# Altium PCB PWM_CONTROLLER_nverter_540VDC_V3.PcbDoc (continued)
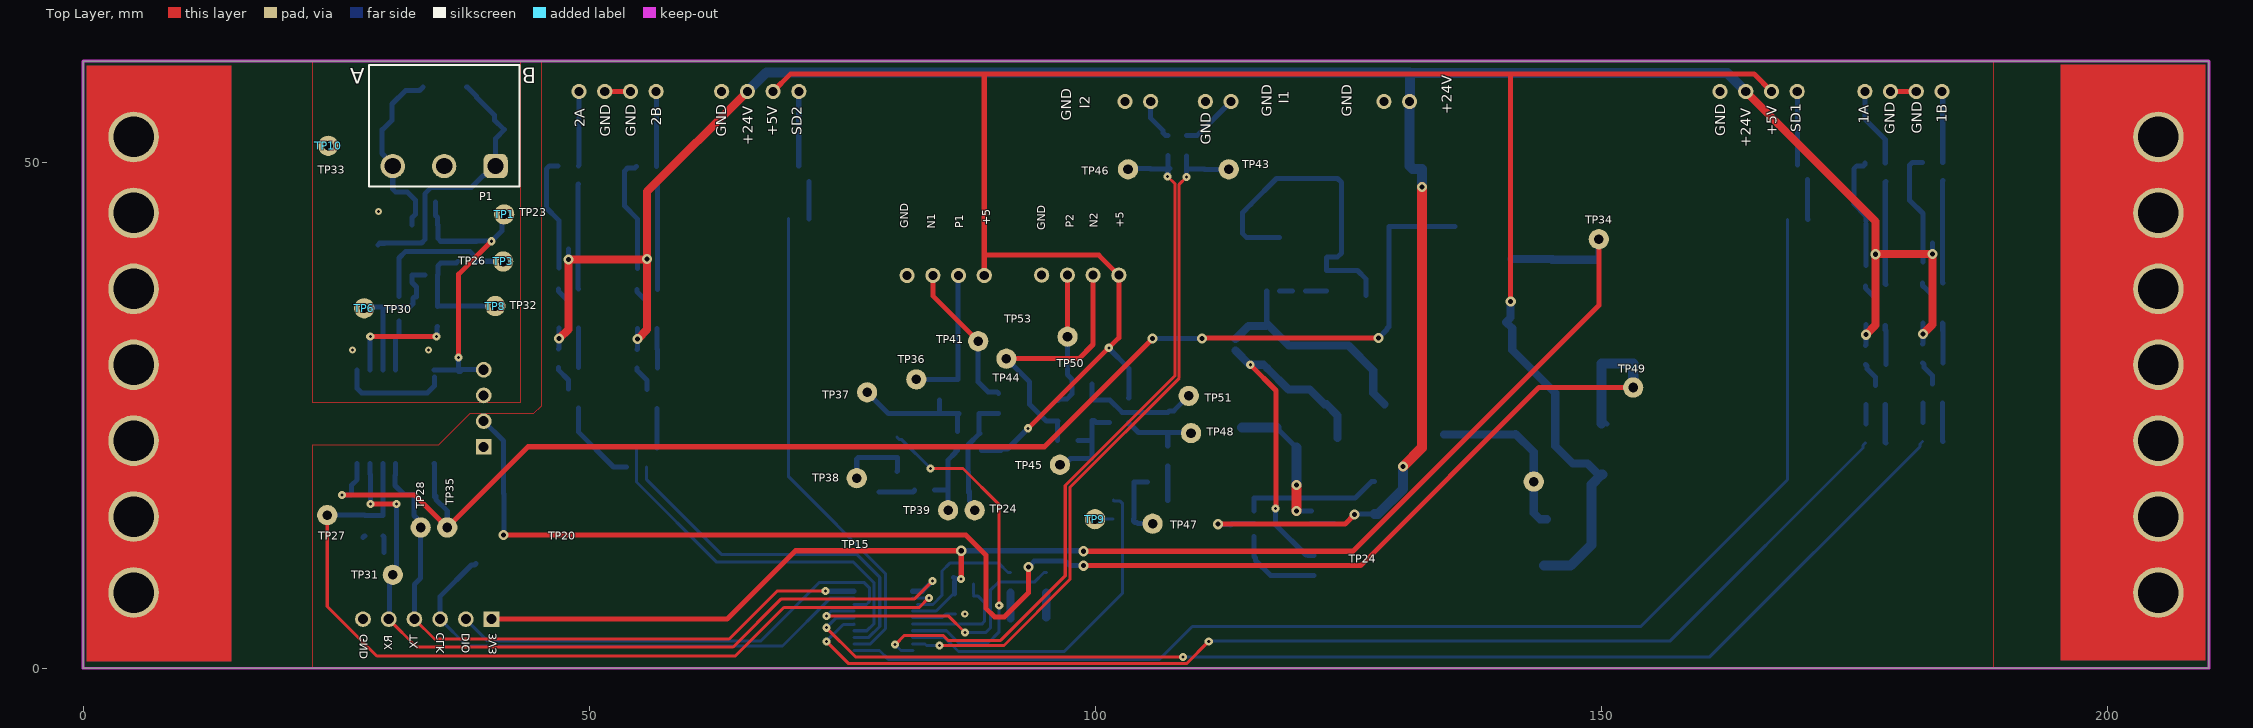
[diagram p0: Top Layer view]
## Part data
C2 C3 C4 C9 C11 C12 C14 C15 C16 C17 C18 C19 C20 C21 C22 C23 C24 C25 C26 C27 C29 C30 C31 C32 C33 C34 C35: library part CAP-NON-POLAR
C13: library part CAP-POLAR
D1: "WURTH ELEKTRONIK - 151031YS06000 - LED, Yellow, Through Hole, T-1 (3mm), 30 mA, 2 V, 590 nm", Manufacturer_Name="Wurth Elektronik", Manufacturer_Part_Number=151031YS06000, Mouser Part Number=710-151031YS06000, Datasheet Link=https://katalog.we-online.de/led/datasheet/151031YS06000.pdf, Geometry.Height=5.5mm, Mouser Price/Stock=https://www.mouser.co.uk/ProductDetail/Wurth-Elektronik/151031YS06000?qs=LlUlMxKIyB3xSYYW%252BcuBiQ%3D%3D
D2 D3: library part LED, "WURTH ELEKTRONIK - 151031YS06000 - LED, Yellow, Through Hole, T-1 (3mm), 30 mA, 2 V, 590 nm", Manufacturer_Name="Wurth Elektronik", Mouser Part Number=710-151031YS06000, Datasheet Link=https://katalog.we-online.de/led/datasheet/151031YS06000.pdf, Geometry.Height=5.5mm, Manufacturer_Part_Number=151031YS06000, Mouser Price/Stock=https://www.mouser.co.uk/ProductDetail/Wurth-Elektronik/151031YS06000?qs=LlUlMxKIyB3xSYYW%252BcuBiQ%3D%3D
JE1: library part JE
L1 L2 L3 L4: library part 74477530, "WE-PD2 SMT Power Inductor, size 7850, 1000µH, 0.3A, 3.3Ω", Case/Size Code=7850, DC Resistance=2.78Ω, DC Resistance Max=3.3Ω, Inductance=1000µH, Manufacturer="Wurth Elektronik", Operating Temperature Max=125°C, Operating Temperature Min=-40°C, Rated Current=0.3A, Self Resonant Frequency=2.4MHz, Category="Unshielded Power Inductors", ComponentLink1Description="Website Link", ComponentLink1URL=https://www.we-online.com/redexpert/article/74477530?ad, ComponentLink2Description="Datasheet Link", ComponentLink2URL=https://www.we-online.com/redexpert/spec/74477530?ad, Height=4.95mm, Length=7.8mm, Manufacturer Part Number=74477530, Match Code=WE-PD2, Mount="Surface Mount", Packaging="Tape and Reel", Saturation Current=0.3A, Width=7mm
  L4: Simulation ModelName=7850_74477530_1m, Simulation ModelText="******* / .subckt 7850_74477530_1m 1 2 / Rp 1 2 187304.915771 / Cp 1 2 4.36976277949p / Rs 1 N3 3.3 / L1 N3 2 1000u / .ends 7850_74477530_1m", Simulation PortMap=(1:1),(2:2)
P1: "WR-TBL Series 7015B Open Horizontal PCB Header, SMT, pitch 5.08mm, 3p", Manufacturer="Wurth Elektronik", Operating Temperature Max=105°C, Operating Temperature Min=-40°C, Rated Current=10A, Working Voltage=300V, Application=Pluggable, Category="Terminal Blocks", ComponentLink1Description="Website Link", ComponentLink1URL=https://www.we-online.com/redexpert/article/691701530003B?ad, ComponentLink2Description="Datasheet Link", ComponentLink2URL=https://www.we-online.com/redexpert/spec/691701530003B?ad, Manufacturer Part Number=691701530003B, Match Code=WR-TBL, Modularity=No, Mount="Surface Mount", Number of Pins=3, Number of Rows=1, Orientation=Horizontal, Packaging=Box, Pitch=5.08mm
Q1 Q4 Q5 Q8 Q9 Q12 Q13 Q16: library part CMP-56214-000002-1, "TRANS PNP 25V 1.5A SOT23", Case/Package=SOT-23, Collector Base Voltage (VCBO)=40V, Collector Emitter Breakdown Voltage=25V, Collector Emitter Saturation Voltage=500mV, Emitter Base Voltage (VEBO)=1.6V, Max Collector Current=1.5A, Max Operating Temperature=150°C, Max Power Dissipation=625mW, Min Operating Temperature=-55°C, Package Quantity=1, Transition Frequency=100MHz, Collector Emitter Voltage (VCEO)=500mV, Element Configuration=Single, Gain Bandwidth Product=100MHz, hFE Min=40, Lead Free="Lead Free", Max Breakdown Voltage=25V, Mount="Surface Mount", Packaging="Tape and Reel", Polarity=PNP
Q2 Q3 Q6 Q7 Q10 Q11 Q14 Q15 Q17 Q18: library part CMP-20235-000001-1, "NPN TRANSISTOR 1.5A 40V SOT-23 R", Case/Package=TO-236-3, Collector Emitter Breakdown Voltage=25V, Collector Emitter Voltage (VCEO)=400mV, Max Collector Current=1.5A, Max Power Dissipation=300mW, Transition Frequency=100MHz, Max Breakdown Voltage=25V, Mount="Surface Mount", Packaging="Tape and Reel", RoHS Compliant=Yes
R1 R2 R3 R4 R5 R6 R7 R8 R9 R10 R11 R12 R13 R14 R15 R16 R17 R18 R19 R20 R21 R22 R23 R24 R25 R26 R27 R28 R29 R30 R31 R32 R33 R34 R35 R36 R37 R38 R39 R41 R42 R43 R44 R45 R46 R47 R48 R49 R50 R51 R52 R53 R54 R55 R56 R57 R58 R59 R60 R61 R62 R63 R64 R65 R66 R67 R68 R69 R70 R71: library part RES-CONST
R40: library part RES-CONST, "10K"
TP1 TP2 TP3 TP4 TP5 TP6 TP7 TP8 TP9 TP10 TP11 TP12 TP13 TP14 TP15 TP16 TP17 TP18 TP19 TP20 TP21 TP22 TP23 TP24 TP25 TP26 TP27: library part TP_PCB?, "Test_Point"
U1: library part LP2951-3.3
U5: library part CMP-0534-00565-1, "Quad Channel Digital Isolator, 2.5 KV rms Insulation Rating, 10 Mbps Data Rate, 50 ns Delay, Industrial, 16-pin SOIC (RW-16), Tube", Manufacturer="Analog Devices", Max Operating Temp (degreesC)=125, Code_JEDEC=MS-013-AA, ComponentLink1Description="Manufacturer URL", ComponentLink1URL=http://www.analog.com/en/index.html, ComponentLink2Description=Datasheet, ComponentLink2URL=http://www.analog.com/static/imported-files/data_sheets/ADuM1400_1401_1402.pdf, ComponentLink3Description="Package Specification", ComponentLink3URL=http://www.analog.com/static/imported-files/packages/PKG_PDF/SOIC_WIDE%20%28RW%29/RW_16.pdf, ComponentLink4Description="URL Link1", ComponentLink4URL="Product URL:http://www.analog.com/en/interface-isolation/digital-isolators/adum1401/products/product.html", ComponentLink5Description="URL Link2", ComponentLink5URL="Reference Circuit:http://www.analog.com/en/interface-isolation/digital-isolators/adum1401/products/product.html#product-recommendations", DatasheetVersion="Rev. H", Max Data Rate=10Mbps, Mounting Technology="Surface Mount", PackageDescription="16-Pin Standard Small Outline Package, Body 10.3 x 7.5 mm, Pitch 1.27 mm", PackageReference=RW-16, PackageVersion="032707-B, 03/2007", PartNumber=ADUM1401BRWZ
U6: "SOIC-20"
U7: library part AMS1117
U8 U9: library part MCP6001T, "IC OPAMP GP 1 CIRCUIT SOT23-5", Case/Package=SOT-23, Input Bias Current=1pA, Input Offset Voltage (Vos)=4.5mV, Max Operating Temperature=85°C, Max Supply Voltage=6V, Min Operating Temperature=-40°C, Min Supply Voltage=1.8V, Nominal Supply Current=100uA, Operating Supply Voltage=5.5V, Output Current=23mA, Package Quantity=1, Power Supply Rejection Ratio (PSRR)=86dB, Voltage Gain=112dB, Bandwidth=1MHz, Common Mode Rejection Ratio=60dB, Contact Plating=Tin, Gain Bandwidth Product=1MHz, Height=1.3mm, Lead Free="Lead Free", Length=3.1mm, Mount="Surface Mount", Number of Amplifiers=1, Number of Channels=1, Number of Circuits=1, Number of Elements=1, Number of Pins=5, Operating Supply Current=100uA, Output Current per Channel=23mA, Packaging="Tape and Reel", Radiation Hardening=No, REACH SVHC="No SVHC", Slew Rate=0.6V/µs, Unity Gain Bandwidth Product=1MHz, Voltage=6V, Width=1.8mm

## Free pads (board coordinates)
  round 5 hole 4: 6(5,7.5) 6(5,15) 6(5,22.5) 6(5,30) 6(5,37.5) 6(5,45) 6(5,52.5) 6(205,7.5) 6(205,15) 6(205,22.5) 6(205,30) 6(205,37.5) 6(205,45) 6(205,52.5)

## Via types
v1: diameter 0.8, hole 0.3, Top Layer to Bottom Layer, 27 vias
v2: diameter 1, hole 0.5, Top Layer to Bottom Layer, 23 vias
v3: diameter 0.7, hole 0.3, Top Layer to Bottom Layer, 4 vias

## Nets (pads, with @x,y where several pads share a name; then routed paths per layer and width w, separated by ;. In a path a pad name is that pad's centre, name@x,y a point inside that pad or via, vN(x,y) a via of type N, cw(c..) or ccw(c..) an arc to the next point about the centre after c; other vN are vias at no path point)
+3V3: C18.2 L3.1 R32.2 R35.2 TP12.1 U5.1 U5.7 U7.2 | length 141
  Top Layer w0.5: v1(25.575,17.15) 32.75,17.15 TP12.1 43.95,21.9 94.975,21.9 v2(105.65,32.575) ; v2(110.525,32.6) 110.55,32.625 v2@128,32.625
  Bottom Layer w0.5: v1(25.575,17.15) R32.2 26.53,17.281 26.53,18.105 27.075,18.65 U5.7 ; U5.1 34.7,20.22 R35.2 ; 35.493,16.107 35.55,16.05 ; TP12.1 35.975,15.575 34.85,16.7 R35.2@34.85,16.8 ; v2(105.65,32.575) 105.675,32.6 v2(110.525,32.6) ; v2(127.95,32.625) 128.8,33.475 128.8,33.6 C18.2@128.95,33.75 ; C18.2@129,33.75 129,36.855 129,43.645 135.495,43.645 L3.1@135.525,43.675 ; R35.2 34.7,16.95 R35.2@34.85,16.8 ; R35.2 34.85,17.025 R35.2@34.85,16.8
+3V3_MCU: C12.2 C13.1 C15.2 J1.1 L3.2 R48.1 TP11.1 U6.4 | length 149.1
  Top Layer w0.5: J1.1 63.625,4.875 70.375,11.625 v2(86.75,11.625) 86.75,8.875 v1(86.725,8.85) ; v2(98.825,11.575) 125.45,11.575 149.731,35.856 TP11.1
  Bottom Layer w0.3: U6.4 84.275,5.675 85.975,7.375 C12.2@86.1,7.375
  Bottom Layer w0.5: R48.1 86.067,8.907 86.668,8.907 v1(86.725,8.85) ; C12.2@86.1,7.375 R48.1@86.1,8.6 ; v2(86.75,11.625) 98.775,11.625 v2(98.825,11.575) ; C15.2@149.264,40.375 C15.2@149.414,40.225 ; C15.2 149.675,42.344 TP11.1
  Bottom Layer w0.8: L3.2@141.1,40.45 145.175,40.45 145.1,40.375 C13.1 C15.2@149.264,40.375
+5: C5.1 C16.2 C25.2 DD1.3 L4.1 U8.5 U9.5 X1.4 X4.2 X5.4 X9.2 | length 222.1
  Top Layer w0.5: X9.2 69.9,58.735 88.987,58.735 ; X5.4 89.025,40.825 ; v1(93.35,23.725) 93.375,23.725 102.315,32.665 X1.4 100.34,40.825 89.025,40.825 ; v2(141.025,36.25) 141.025,58.731 141.021,58.735 ; X4.2 165.05,58.735 141.021,58.735 ; 88.987,58.735 141.021,58.735 ; 88.987,58.735 89.025,58.697 89.025,40.825
  Bottom Layer w0.5: U8.5 C16.2@90.65,21.525 ; C16.2 90.575,21.675 91.325,21.675 v1@93.35,23.7 ; v1@101.3,31.65 103.3,29.65 C25.2 103.3,26.725 U9.5
  Bottom Layer w0.8: v2(141.025,36.25) 141.025,34.65 C5.1 141.174,33.601 141.174,31.451 145.425,27.2 145.425,21.975 147.15,20.25 148.612,20.25 L4.1@149.894,18.969
  Bottom Layer w1: DD1.3 144.326,10.176 146.951,10.176 149,12.225 149,18.15 150,19.15 L4.1@150.075,19.15
  other v1: 101.325,31.675
+5V_1: C1.1 C17.2 R29.1 U1.1 U1.2 U7.3 | length 33
  Bottom Layer w0.5: U1.2 U1.1 114.95,42.55 114.55,42.95 114.55,45.05 C1.1 117.9,48.4 123.925,48.4 124.325,48 124.325,41.05 123.93,40.655 122.905,40.655 122.85,40.6 R29.1 125.9,39.3 126.71,38.49 U7.3
+5V_ISO: C3.1 R31.2 R33.2 R34.2 TP1.1 U2.4 U4.8 U5.10 U5.16 | length 42.6
  Top Layer w0.5: v1(37.1,30.7) 37.1,38.95 v1(40.35,42.2)
  Bottom Layer w0.5: U5.10 27.075,27.65 27.525,27.2 34,27.2 34.7,27.9 U5.16@34.7,28.8 ; U5.16 36.95,29.475 C3.1 ; R31.2 34.825,44.745 35.03,44.54 U4.8 35.045,43.8 35.045,42.493 35.338,42.2 R34.2 38.85,42.2 38.863,42.212 39.25,42.212 40.338,42.212 v1(40.35,42.2) ; v1(37.1,30.7) 37.075,30.675 C3.1 ; R33.2 R33.2@39.25,42.225 ; U2.4 37.46,29.51 37.3,29.35 C3.1 ; v1@40.375,42.225 41.386,43.236 41.386,44.636 TP1.1
+5V_RS: C2.2 C28.1 C30.2 L4.2 TP22.1 U2.2 | length 152.9
  Top Layer w0.5: v2(41.55,13.175) 87.2,13.175 89.175,11.2 89.175,5.95 90.025,5.1 91.025,5.1 93.375,7.45 v2(93.375,10.025) ; v2(98.825,10.15) 126.2,10.15 143.8,27.75 TP22.1
  Bottom Layer w0.5: U2.2 41.525,22.48 C2.2 41.575,17.25 41.575,13.2 v2(41.55,13.175) ; v2(93.375,10.025) 93.95,10.6 97.05,10.6 97.5,10.15 v2(98.825,10.15) ; L4.2@150.45,24.225 L4.2 ; C30.2@153.075,30.125 C30.2 C30.2@153.125,30.125
  Bottom Layer w1: L4.2@150,24.225 C28.1 C30.2@153.075,30.125 ; TP22.1 C30.2@153.125,30.125
+24V: C10.1 C11.1 Q1.2 Q2.3 Q5.2 Q6.3 Q9.2 Q10.3 Q13.2 Q14.3 R1.2 R8.2 R15.2 R22.2 R37.1 U3.6 X4.3 X7.1 X9.3 | length 267
  Top Layer w0.5: v2(112.125,14.25) 124.65,14.25 v2(125.6,15.2) ; v2(177.076,40.918) v2@177.096,40.938
  Top Layer w0.8: v2(47.025,32.575) 47.95,33.5 v2(47.95,40.4) 55.677,40.4 v2(55.725,40.448) ; v2(54.775,32.557) 54.807,32.557 55.725,33.475 v2(55.725,40.448) ; X9.3 55.725,47.1 v2(55.725,40.448) ; X4.3 177.076,44.169 v2(177.076,40.918) 177.076,33.918 v2(176.126,32.968) ; v2@177.096,40.938 v2(182.691,40.938) 182.691,33.963 v2(181.766,33.038)
  Top Layer w1: v2(130.4,19.95) 132.25,21.8 v2(132.25,47.575)
  Bottom Layer w0.5: R22.2 47.025,31.625 v2(47.025,32.575) Q13.2 ; v2(47.95,40.4) Q14.3 ; R15.2 54.775,31.55 v2(54.775,32.557) Q9.2 ; v2(55.725,40.448) Q10.3 ; v2(112.125,14.25) 112.163,14.212 113.312,14.212 C11.1 113.475,14.3 U3.6 ; v2(125.6,15.2) 125.637,15.237 R37.1@127.263,15.237 ; 131.025,58.875 131.075,58.825 ; R1.2 176.126,31.965 v2(176.126,32.968) Q1.2 ; v2(177.076,40.918) Q2.3 ; R8.2 181.758,32.085 Q5.2 ; v2(182.691,40.938) 182.699,40.946 182.699,42.001 Q6.3
  Bottom Layer w1: X9.3 67.5,58.875 131.025,58.875 ; R37.1 127.925,15.25 130.4,17.725 v2(130.4,19.95) ; X7.1 131.04,49.65 131.34,49.35 C10.1@132.2,49.35 ; X7.1@131.075,56.065 131.075,58.825 162.42,58.825 X4.3 ; v2(132.25,47.575) 132.25,49.325 C10.1@132.275,49.35
GND_2: C3.2 P1.2 R41.1 R44.1 TP10.1 U2.3 U4.5 U5.9 U5.15 ZD2.1 ZD3.1
  other v3: 26.625,31.45 34.125,31.475 29.2,45.125
GND_III: C1.2 C2.1 C4.2 C5.2 C6.2 C7.2 C8.2 C9.1 C10.2 C11.2 C12.1 C13.2 C14.1 C15.1 C16.1 C17.1 C18.1 C21.1 C22.1 C23.1 C25.1 C28.2 C29.1 C30.1 C31.1 C32.1 C33.1 C34.1 D1.2 D2.2 D3.2 DD1.2 J1.6 Q3.2 Q4.3 Q7.2 Q8.3 Q11.2 Q12.3 Q15.2 Q16.3 Q17.2 Q18.2 R6.1 R7.1 R13.1 R14.1 R20.1 R21.1 R27.1 R28.1 R36.1 R43.1 R45.1 R47.1 R51.2 R57.2 R58.1 R66.2 R68.1 R69.1 R70.1 TP9.1 U1.3 U1.4 U2.1 U3.4 U5.2 U5.8 U6.5 U7.1 U8.2 U9.2 VD1.2 X1.1 X2.2 X2.3 X3.2 X5.1 X6.2 X7.2 X8.2 X8.3 X9.4 | length 15.6
  Top Layer w0.5: X8.3 X8.2 ; X2.3 X2.2
  Bottom Layer w0.3: U6.5 84.875,5.025 85.225,5.375 C12.1 ; TP9.1 99.985,14.775 C31.1 ; R7.1 R7.1@176.126,24.164 ; R14.1 R14.1@181.758,24.284
  Bottom Layer w0.5: R43.1@27.65,12.95 27.8,13.1 R43.1 ; R7.1@176.126,24.164 Q3.2 ; R14.1@181.758,24.284 Q7.2
  other v3: 87.1,5.375
NetC4_1: C4.1 U3.3 | length 2.2
  Bottom Layer w0.5: U3.3 C4.1
NetC6_1: C6.1 C9.2 DD1.1 L2.2 TP2.1 | length 17.2
  Bottom Layer w0.8: L2.2@134.45,23.125 138.075,23.125 C6.1@139.175,23.125 ; C6.1@139.175,23.1 C9.2@141.5,23.1 ; C9.2@141.5,23.175 143.3,21.375 TP2.1 143.3,15.35 143.915,14.735 DD1.1@144.615,14.735
NetC7_1: C7.1 JE1.2 L1.2 R40.1 | length 36.9
  Top Layer w0.5: v1(115.3,30) 117.85,27.45 117.85,15.85 v1(117.8,15.8)
  Bottom Layer w0.5: v1(117.8,15.8) 117.8,14.2 120.8,11.2 R40.1 ; R40.1@121.025,11.175 R40.1@121.6,11.175
  Bottom Layer w0.8: JE1.2@113.835,31.392 115.226,30 v1(115.3,30) 116.625,30 C7.1 119.075,27.55 121.177,27.55 122.627,26.1 122.825,26.1 123.925,25 L1.2
NetC8_1: C8.1 JE1.1 L2.1 U1.8 | length 23.2
  Bottom Layer w0.5: U1.8 116.925,34.075 C8.1
  Bottom Layer w0.8: JE1.1@113.835,32.533 115.119,33.817 116.817,33.817 C8.1 119.1,31.9 125,31.9 127.45,29.45 127.45,27.2 L2.1
NetC14_2: C14.2 R48.2 U6.6 | length 11.4
  Bottom Layer w0.3: U6.6 88.775,4.375 89.05,4.65 89.05,6.5 88.475,7.075 88.475,7.1 88.425,7.15 C14.2@87.95,7.15 ; C14.2@87.975,7.35 87.975,8.325
NetC19_1: C19.1 C24.1 R56.2 R59.1 TP18.1 U8.4 | length 12.5
  Bottom Layer w0.5: C24.1@87.45,17.4 87.45,19.425 R59.1 87.425,22.075 88.575,23.225 88.525,23.275 C19.1 R56.2 ; C24.1 87.578,17.497 87.578,16.528 88.075,16.031 TP18.1
NetC19_2: C19.2 C23.2 R50.2 R58.2 TP14.1 U8.3 | length 13.1
  Bottom Layer w0.5: TP14.1 79.55,25.175 82.7,25.175 84.6,25.175 C19.2 86.375,25.025 U8.3 ; C23.2 R50.2
NetC20_1: C20.1 R56.1 TP17.1 X5.2 | length 14.5
  Top Layer w0.5: X5.2 83.945,36.805 TP17.1
  Bottom Layer w0.5: TP17.1@88.485,31.95 88.425,31.89 C20.1 88.425,28.3 89.4,27.325 90.3,27.325 R56.1
NetC20_2: C20.2 R50.1 TP13.1 X5.3 | length 14.4
  Bottom Layer w0.5: TP13.1 82.335,28.525 R50.1 C20.2 86.425,38.765 X5.3
NetC21_2: C21.2 R52.1 R53.2 | length 3.6
  Bottom Layer w0.5: C21.2 81.975,17.425 82.125,17.575 R52.1
NetC22_2: C22.2 R53.1 R54.2 R57.1 TP15.1 | length 7.4
  Bottom Layer w0.5: TP15.1 76.425,20.7 76.575,20.85 C22.2 78.625,20.85 80.425,20.85 80.45,20.825 80.45,19.5 R53.1
NetC24_2: C24.2 R52.2 R59.2 TP16.1 U8.1 | length 7.7
  Bottom Layer w0.5: R52.2 C24.2@85.45,17.625 ; TP16.1 C24.2 85.425,17.65 R59.2 85.425,20.575 86.175,21.325 86.175,21.45 86.25,21.525 U8.1
NetC26_1: C26.1 C35.1 R65.2 R71.1 TP27.1 U9.4 | length 12.3
  Bottom Layer w0.5: R65.2@99.65,28.075 C26.1 101.45,26.5 102.65,25.3 R71.1 C35.1 107.3,25.45 107.75,25.45 TP27.1
NetC26_2: C26.2 C33.2 R61.2 R68.2 TP21.1 U9.3 | length 10.3
  Bottom Layer w0.5: TP21.1 96.906,20.125 97.531,20.75 99.625,20.75 99.65,20.775 C33.2@99.65,22.5 ; R61.2 C33.2@99.65,22.5 ; U9.3 100.075,24.3 99.875,24.5 C26.2 C33.2@99.65,22.5
NetC27_1: C27.1 R65.1 TP26.1 X1.2 | length 14
  Top Layer w0.5: X1.2@97.25,38.835 97.25,32.425 TP26.1@97.3,32.375
  Bottom Layer w0.5: C27.1 96.45,26.6 97.175,26.6 97.675,27.1 97.675,28.6 97.25,29.025 TP26.1 ; X1.2 X1.2@97.25,38.835
NetC27_2: C27.2 R61.1 TP20.1 X1.3 | length 26.9
  Top Layer w0.5: TP20.1 98.375,30.6 99.775,32 X1.3
  Bottom Layer w0.5: TP20.1 93.5,28.31 93.5,26.1 95.15,24.45 C27.2 96.275,24.425 R61.1
NetC29_2: C29.2 R62.1 R63.2 | length 3.4
  Bottom Layer w0.5: C29.2 107.15,16.6 R62.1
NetC31_2: C31.2 R63.1 R64.2 R66.1 TP24.1 | length 7.2
  Bottom Layer w0.5: R63.1 105.1,18.425 R66.1 103.8,16.625 103.8,14.825 C31.2 103.75,14.55 103.9,14.4 104.093,14.4 104.193,14.3 TP24.1
NetC32_2: C32.2 R67.2 R69.2 TP23.1 U6.10 | length 72.4
  Top Layer w0.3: v1(80.225,2.35) 81.15,3.275 84.95,3.275 85.45,2.775 90.65,2.775 97.025,9.15 97.025,18.082 107.875,28.932 107.875,47.85 v1(107.125,48.6)
  Bottom Layer w0.3: v1(80.225,2.35) 80.8,1.775 U6.10@81.961,1.775
  Bottom Layer w0.5: TP23.1 103.3,49.375 C32.2 ; C32.2@105.425,49.35 R69.2@107.175,49.35 ; v1(107.125,48.6) 107.15,48.625 107.15,49.225 107.3,49.375 R69.2@107.35,49.375 ; R69.2 R67.2
NetC34_2: C34.2 R60.2 R70.2 TP19.1 U6.9 | length 69.1
  Top Layer w0.3: v1(84.6,2.275) 90.975,2.275 97.5,8.8 97.5,17.9 108.275,28.675 108.275,47.824 v1(109,48.549)
  Bottom Layer w0.3: U6.9 83.175,2.425 83.325,2.275 v1(84.6,2.275)
  Bottom Layer w0.5: v1(109,48.549) C34.2 C34.2@109,49.35 ; R60.2 C34.2@109,49.35 ; R70.2 TP19.1 ; R70.2@110.775,49.35 C34.2@109,49.35
NetC35_2: C35.2 R62.2 R71.2 TP25.1 U9.1 | length 8.1
  Bottom Layer w0.5: U9.1 103.275,24.175 103.35,24.1 103.475,24.1 104.27,23.305 105.344,23.305 R71.2 C35.2 ; R62.2 C35.2 ; TP25.1@109.3,23.85 109.3,23.843 108.757,23.3 C35.2
NetD1_1: D1.1 R42.1 | length 1.7
  Bottom Layer w0.5: R42.1 29.75,12.975 D1.1
NetD2_1: D2.1 R49.2 | length 2.5
  Bottom Layer w0.8: D2.1 R49.2
NetD3_1: D3.1 R55.2 | length 2.5
  Bottom Layer w0.8: R55.2 91.6,4.975 D3.1
NetJ1_2: J1.2 U6.18 | length 46.3
  Bottom Layer w0.3: J1.2 39.99,2.7 66.925,2.7 72.7,8.475 77.175,8.475 77.675,7.975 77.675,6.6 77.4,6.325 U6.18
NetJ1_3: J1.3 R51.1 U6.19 | length 51.1
  Bottom Layer w0.3: J1.3 37.925,2.225 69.1,2.225 73.85,6.975 U6.19
  Bottom Layer w0.5: J1.3 35.275,7.125 38.375,10.225 38.675,10.225 R51.1
NetJ1_4: J1.4 R35.1 TP5.1 U5.4 U6.20 | length 62.9
  Top Layer w0.3: J1.4 34.71,2.9 63.825,2.9 68.575,7.65 v1(73.35,7.65)
  Bottom Layer w0.5: U5.4 30.847,20.187 30.847,19.095 30.825,19.074 30.825,18.075 31.725,17.175 R35.1 32.7,15.116 TP5.1@33.35,14.466 ; J1.4 32.735,8.31 33.35,8.925 TP5.1 ; v1(73.35,7.65) 73.375,7.625 U6.20
NetJ1_5: J1.5 R32.1 TP7.1 U5.6 U6.1 | length 78
  Top Layer w0.3: J1.5 32.945,2.125 64.225,2.125 68.975,6.875 82.15,6.875 v1(83.9,8.625)
  Top Layer w0.5: v1(28.4,16.25) v1(30.975,16.25) ; TP7.1@30.588,9.237 TP7.1
  Bottom Layer w0.5: U5.6 28.345,19.221 28.4,19.166 R32.1 v1(28.4,16.25) ; J1.5@30.275,5.049 30.275,8.55 30.975,9.25 v1(30.975,16.25) ; U6.1 82.9,7.625 v1(83.9,8.625)
NetL1_1: L1.1 U3.2 VD1.1 | length 13.9
  Top Layer w0.5: v2(119.866,18.125) v2@119.875,18.116
  Top Layer w1: v2(119.875,15.55) v2@119.875,18.116
  Bottom Layer w0.5: L1.1@117.875,23.8 L1.1 L1.1@119.866,21.809 ; v2(119.875,15.55) 119.895,15.57 U3.2
  Bottom Layer w1: VD1.1 L1.1@117.875,23.8 ; v2(119.866,18.125) L1.1@119.866,21.809
NetP1_1: P1.1 R44.2 U4.7 ZD1.1 ZD3.2 | length 27.2
  Bottom Layer w0.5: R44.2@29.15,41.85 29.3,42 29.793,42 29.818,42.025 33.425,42.025 33.76,42.36 U4.7 33.76,46.885 34.4,47.525 38.375,47.525 39.56,48.71 39.651,48.71 P1.1@40.6,49.659 ; ZD1.1 37.975,57.425 38.875,56.525 38.875,56.425 40.65,54.65 40.65,54.15 41.55,53.25 ZD3.2 40.755,52.355 P1.1
NetP1_3: P1.3 R31.1 U4.6 ZD1.2 ZD2.2 | length 18.4
  Bottom Layer w0.5: U4.6 32.49,44.54 32.505,44.555 32.532,44.555 32.825,44.848 32.825,46.275 32.05,47.05 30.888,47.05 30.595,47.343 P1.3 30.595,49.798 29.525,50.868 ZD2.2 29.625,53.25 30.525,54.15 30.525,55.75 31.868,57.093 33.243,57.093 ZD1.2
NetQ1_1: Q1.1 R1.1 R2.2 | length 3.9
  Bottom Layer w0.5: Q1.1@178.026,33.882 178.026,33.438 178.076,33.388 178.076,31.818 R2.2@178.076,30.017
NetQ1_3: Q1.3 R5.2 | length 2.5
  Bottom Layer w0.5: R5.2@176.076,37.793 176.076,37.568 176.226,37.418 177.059,36.584 177.059,35.769 Q1.3@177.076,35.753
NetQ2_1: Q2.1 Q4.1 R5.1 R6.2 | length 10.2
  Bottom Layer w0.5: R5.1 178.026,37.99 Q4.1 178.026,48.039 R6.2
NetQ2_2: Q2.2 Q4.2 R3.2 | length 11.1
  Bottom Layer w0.5: R3.2 176.025,49.796 175.875,49.646 175.218,49.646 174.925,49.353 174.925,45.9 176.083,44.742 176.083,44.714 176.126,44.672 Q4.2 ; Q2.2@176.126,39.818 Q2.2 Q4.2@176.126,43.907
NetQ3_1: Q3.1 R4.2 R7.2 | length 3.8
  Bottom Layer w0.5: Q3.1 178.026,22.339 R4.2
NetQ3_3: Q3.3 R2.1 | length 2.5
  Bottom Layer w0.5: R2.1@176.076,30.017 176.226,29.867 176.226,29.596 177.059,28.763 177.059,27.994 Q3.3@177.076,27.978
NetQ5_1: Q5.1 R8.1 R9.2 | length 3.9
  Bottom Layer w0.5: Q5.1 183.7,34.057 183.7,33.381 183.708,33.373 R8.1 R9.2
NetQ5_3: Q5.3 R12.2 | length 2.5
  Bottom Layer w0.5: R12.2 181.708,37.835 181.858,37.685 181.868,37.685 182.691,36.862 182.691,35.986 Q5.3
NetQ6_1: Q6.1 Q8.1 R12.1 R13.2 | length 10.2
  Bottom Layer w0.5: R12.1 183.658,38.11 Q6.1 Q8.1 183.658,48.159 R13.2
NetQ6_2: Q6.2 Q8.2 R10.2 | length 11.5
  Bottom Layer w0.5: R10.2 180.718,50 180.425,49.707 180.425,46.25 181.741,44.934 181.741,44.341 Q8.2 Q6.2
NetQ7_1: Q7.1 R11.2 R14.2 | length 3.8
  Bottom Layer w0.5: Q7.1 183.658,22.459 R11.2
NetQ7_3: Q7.3 R9.1 | length 2.5
  Bottom Layer w0.5: R9.1 181.858,30.034 181.858,29.746 182.691,28.912 182.691,28.096 Q7.3
NetQ9_1: Q9.1 R15.1 R16.2 | length 3.9
  Bottom Layer w0.5: Q9.1 56.675,31.55 R15.1 R16.2
NetQ9_3: Q9.3 R19.2 | length 2.4
  Bottom Layer w0.5: R19.2 54.7,37.225 55.709,36.216 55.709,35.451 Q9.3
NetQ10_1: Q10.1 Q12.1 R19.1 R20.2 | length 10.4
  Bottom Layer w0.5: R19.1@56.725,37.45 56.725,39.513 56.725,43.79 R20.2@56.725,47.8
NetQ10_2: Q10.2 Q12.2 R17.2 | length 11.5
  Bottom Layer w0.5: R17.2 54.65,49.593 54.5,49.443 53.793,49.443 53.5,49.15 53.5,45.675 54.759,44.416 54.759,43.806 Q12.2 Q10.2
NetQ11_1: Q11.1 R18.2 R21.2 | length 3.9
  Bottom Layer w0.5: R18.2 R21.2 Q11.1
NetQ11_3: Q11.3 R16.1 | length 2.6
  Bottom Layer w0.5: R16.1 54.725,29.45 55.723,28.452 55.723,27.537 Q11.3
NetQ13_1: Q13.1 R22.1 R23.2 | length 3.9
  Bottom Layer w0.5: Q13.1 48.95,33.59 R22.1 R23.2
NetQ13_3: Q13.3 R26.2 | length 2.4
  Bottom Layer w0.5: R26.2 46.95,37.275 47.959,36.266 47.959,35.501 Q13.3
NetQ14_1: Q14.1 Q16.1 R26.1 R27.2 | length 10.4
  Bottom Layer w0.5: R26.1 48.9,37.55 Q14.1 48.9,47.8 R27.2
NetQ14_2: Q14.2 Q16.2 R24.2 | length 11.6
  Bottom Layer w0.5: R24.2 46.068,49.65 45.775,49.357 45.775,45.485 46.933,44.327 46.935,44.327 47,44.261 Q14.2
NetQ15_1: Q15.1 R25.2 R28.2 | length 8.5
  Bottom Layer w0.5: Q15.1 48.925,23.375 52.4,19.9 R25.2
NetQ15_3: Q15.3 R23.1 | length 2.6
  Bottom Layer w0.5: R23.1 46.95,29.5 47.96,28.489 47.96,27.6 Q15.3
NetQ17_1: Q17.1 R30.2 R36.2 | length 4
  Bottom Layer w0.5: Q17.1 170.325,44.4 R30.2
NetQ18_1: Q18.1 R46.2 R47.2 | length 3.7
  Bottom Layer w0.5: Q18.1@71.693,48.119 R47.2 71.7,46.284 R46.2
NetR29_2: R29.2 U1.5 | length 2.1
  Bottom Layer w0.5: U1.5 R29.2
NetR33_1: R33.1 R38.1 TP3.1 U4.4 | length 15.1
  Bottom Layer w0.5: R38.1 31.2,38.14 31.22,38.16 31.22,40.545 31.875,41.2 38.207,41.2 38.5,40.907 38.5,40.375 38.65,40.225 41.475,40.225 TP3.1
NetR34_1: R34.1 R39.1 TP8.1 U4.1 | length 11.9
  Bottom Layer w0.5: R39.1 R39.1@35.025,35.8 ; R34.1 36.875,40.05 35.338,40.05 35.045,39.757 35.045,38.9 U4.1 35.03,35.805 R39.1@35.025,35.8 ; TP8.1 R39.1@35.025,35.8
NetR37_2: R37.2 U3.1 U3.7 U3.8 | length 13.8
  Bottom Layer w0.5: U3.7 U3.8 U3.1 125.665,16.84 127.275,18.45 R37.2
NetR38_2: R38.2 U5.13 | length 5
  Bottom Layer w0.5: U5.13 30.885,32.657 31.2,32.972 31.2,34.325
NetR39_2: R39.2 U5.11 | length 10.9
  Top Layer w0.5: v1(28.375,32.775) v1(34.925,32.775)
  Bottom Layer w0.5: U5.11 28.345,32.745 v1(28.375,32.775) ; v1(34.925,32.775) 34.962,32.812 34.962,33.738 R39.2
NetR40_2: R40.2 R45.2 U3.5 | length 8.8
  Bottom Layer w0.5: U3.5 R45.2 115.825,10.9 115.825,10.675 117.325,9.175 R40.2@121.6,9.175
NetR41_2: R41.2 TP6.1 U4.2 U4.3 U5.12 | length 15.9
  Bottom Layer w0.5: TP6.1 27.9,35.7 29.615,35.7 29.805,35.7 ; U5.12 29.615,35.51 29.805,35.7 ; U4.2 U4.3 32.505,38.87 32.505,38.12 32.95,37.675 R41.2 32.725,36.7 32.575,36.55 32.575,35.993 32.282,35.7 29.805,35.7
NetR42_2: R42.2 R43.2 TP4.1 U5.5 U6.2 | length 85.3
  Top Layer w0.3: TP4.1 24.125,6.125 29.025,1.225 64.425,1.225 69.225,6.025 82.6,6.025 v1(83.55,6.975)
  Bottom Layer w0.3: TP4.1 TP4.1@24.225,15.05 ; U6.2 v1(83.55,6.975)
  Bottom Layer w0.5: TP4.1 27.8,15.15 R43.2 R42.2 29.615,15.11 U5.5
NetR49_1: R49.1 U6.17 | length 30
  Top Layer w0.3: v1(73.425,5.2) 85.475,5.2 v1(87.125,3.55)
  Bottom Layer w0.3: v1(73.425,5.2) 73.9,5.675 U6.17 ; v1(87.125,3.55) 89.175,3.55 89.625,4 89.625,7.725 90.425,8.525 93.975,8.525 94.925,9.475 R49.1
NetR54_1: R54.1 U6.7 | length 35
  Top Layer w0.3: v1(83.725,19.75) 86.925,19.75 90.5,16.175 v1(90.5,6.225)
  Bottom Layer w0.3: R54.1 80.65,22.6 80.875,22.6 v1(83.725,19.75) ; U6.7 85.3,3.725 86.55,2.475 89.35,2.475 90.5,3.625 v1(90.5,6.225)
NetR55_1: R55.1 U6.3 | length 12.7
  Bottom Layer w0.3: U6.3@82.412,6.325 83.95,6.325 84.85,7.225 84.85,9.625 85.625,10.4 90.45,10.4 91.375,9.475 R55.1
NetR60_1: R60.1 X6.1 | length 5.8
  Bottom Layer w0.5: R60.1 109.025,52.65 110.05,52.65 X6.1
NetR64_1: R64.1 U6.8 | length 33.6
  Bottom Layer w0.3: U6.8 85.075,3.075 86.475,1.675 96.925,1.675 102.7,7.45 102.7,16.275 102.449,16.526 101.874,16.526 R64.1
NetR67_1: R67.1 X3.1 | length 4.2
  Bottom Layer w0.5: X3.1 105.465,54.36 106.7,53.125 106.7,52.9 106.95,52.65 R67.1
NetU1_6: U1.6 U1.7 | length 1.3
  Bottom Layer w0.5: U1.7 U1.6
OUT_A1: R3.1 X2.4 | length 8.1
  Top Layer w0.5: X2.4@175.85,57 X2.4
  Bottom Layer w0.5: X2.4 176.005,54.27 178.025,52.25 R3.1
OUT_A2: R24.1 X8.4 | length 7.4
  Bottom Layer w0.5: R24.1 48.995,49.72 X8.4
OUT_B1: R10.1 X2.1 | length 7
  Bottom Layer w0.5: X2.1 183.7,56.925 R10.1
OUT_B2: R17.1 X8.1 | length 7.4
  Bottom Layer w0.5: X8.1 56.65,56.965 R17.1
PWM_A1: R4.1 U6.15 | length 116.2
  Top Layer w0.3: v1(73.425,2.675) 75.625,0.475 109,0.475 v1(111.2,2.675)
  Bottom Layer w0.3: v1(73.425,2.675) 75.102,4.352 76.151,4.352 U6.15 ; v1@111.15,2.7 156.75,2.7 175.826,21.776 175.826,22.039 R4.1
PWM_A2: R25.1 U6.13 | length 36.1
  Bottom Layer w0.3: R25.1 55.675,18.65 63.05,11.275 76.425,11.275 78.7,9 78.7,4.15 77.625,3.075 U6.13
PWM_B1: R11.1 U6.16 | length 121.6
  Top Layer w0.3: v1(73.425,4.025) 76.325,1.125 108.3,1.125 108.325,1.15 v1(108.65,1.15)
  Bottom Layer w0.3: v1(73.425,4.025) 74.402,5.002 76.151,5.002 U6.16 ; v1(108.65,1.15) 160.7,1.15 181.458,21.908 181.458,22.159 R11.1
PWM_B2: R18.1 U6.14 | length 37.2
  Bottom Layer w0.3: R18.1 54.675,18.425 62.6,10.5 76.1,10.5 78.15,8.45 78.15,4.45 77.425,3.725 U6.14
SD_1: R30.1 U6.11 | length 125.6
  Bottom Layer w0.3: U6.11 78.675,1.775 79.55,0.9 106.325,0.9 109.575,4.15 153.875,4.15 168.375,18.65 R30.1
SD_2: R46.1 U6.12 | length 48.2
  Bottom Layer w0.3: R46.1 69.7,18.93 79.275,9.355 79.275,3.925 77.775,2.425 U6.12
SD_G_1: Q17.3 X4.1 | length 7.3
  Bottom Layer w0.5: X4.1 169.37,56.955 Q17.3@169.37,49.726
SD_G_2: Q18.3 X9.1 | length 7.3
  Bottom Layer w0.5: Q18.3@70.701,49.657 70.701,56.996 X9.1
pads on no net: U5.3 U5.14 X4.4

## Polygon pours and split planes (outlines as drawn)
GND_III on Bottom Layer "NONET_L-01_P-001" (solid, shelved, pour order 6): 22.65,0 22.65,22.1 35.125,22.1 38.225,25.2 44.5,25.2 45.267,25.967 45.267,60.002 188.675,60.002 188.675,0
GND_2 on Bottom Layer "NONET_L-01_P-001" (solid, shelved, pour order 1): 43.2,26.25 22.7,26.25 22.7,60.002 43.2,60.002
GND_III on Top Layer "NONET_L-01_P-001" (solid, shelved, pour order 5): 22.7,0 22.7,22.1 35.15,22.1 38.25,25.2 44.525,25.2 45.292,25.967 45.292,60.002 188.7,60.002 188.7,0
GND_2 on Top Layer "NONET_L-01_P-001" (solid, shelved, pour order 4): 43.2,26.25 22.7,26.25 22.7,60.002 43.2,60.002

## Keep-outs
Keep-Out Layer:
  the board outline again, w0.254

## Other copper
Top Layer:
  rectangle: 195.359,0.775 209.675,59.674
  rectangle: 0.359,0.675 14.675,59.574
Bottom Layer:
  rectangle: 195.359,0.775 209.675,59.674
  rectangle: 0.359,0.675 14.675,59.574

## Silkscreen, mask and mechanical layers (free items; w line width, h text height)
Top Overlay:
  text "B" at 44.771,59.321 h1.5 r180
  text "A" at 26.379,59.296 h1.5 r180
  text "I1" at 119.125,55.775 h1 r90
  text "I2" at 99.45,55.3 h1 r90
  text "+24V" at 135.225,54.75 h1 r90
  text "GND" at 117.446,54.504 h1 r90
  text "GND" at 125.321,54.504 h1 r90
  text "GND" at 97.596,54.079 h1 r90
  text "1B" at 184.121,53.904 h1 r90
  text "1A" at 176.371,53.804 h1 r90
  text "2B" at 57.121,53.604 h1 r90
  text "2A" at 49.571,53.479 h1 r90
  text "SD1" at 169.696,52.979 h1 r90
  text "GND" at 181.646,52.804 h1 r90
  text "GND" at 178.946,52.779 h1 r90
  text "SD2" at 71.013,52.646 h1 r90
  text "+5V" at 167.296,52.629 h1 r90
  text "+5V" at 68.596,52.579 h1 r90
  text "GND" at 162.196,52.554 h1 r90
  text "GND" at 52.071,52.529 h1 r90
  text "GND" at 54.621,52.529 h1 r90
  text "GND" at 63.521,52.504 h1 r90
  text "GND" at 111.398,51.756 h1 r90
  text "+24V" at 66.146,51.679 h1 r90
  text "+24V" at 164.721,51.504 h1 r90
  text "TP43" at 114.525,49.405 h0.8
  text "TP33" at 23.175,48.85 h0.8
  text "TP46" at 98.65,48.775 h0.8
  text "TP23" at 43.075,44.675 h0.8
  text "TP34" at 148.4,43.95 h0.8
  text "+5" at 89.625,43.8 h0.8 r90
  text "P1" at 86.925,43.5 h0.8 r90
  text "P2" at 97.854,43.517 h0.8 r90
  text "N2" at 100.254,43.517 h0.8 r90
  text "+5" at 102.804,43.517 h0.8 r90
  text "GND" at 81.5,43.475 h0.8 r90
  text "N1" at 84.175,43.425 h0.8 r90
  text "GND" at 95.025,43.3 h0.8 r90
  text "TP26" at 37.05,39.875 h0.8
  text "TP32" at 42.15,35.5 h0.8
  text "TP30" at 29.75,35.075 h0.8
  text "TP53" at 91,34.15 h0.8
  text "TP41" at 84.275,32.1 h0.8
  text "TP36" at 80.475,30.15 h0.8
  text "TP50" at 96.2,29.75 h0.8
  text "TP49" at 151.625,29.2 h0.8
  text "TP44" at 89.875,28.325 h0.8
  text "TP37" at 73.025,26.65 h0.8
  text "TP51" at 110.825,26.35 h0.8
  text "TP48" at 111,22.975 h0.8
  text "TP45" at 92.075,19.675 h0.8
  text "TP38" at 72.025,18.45 h0.8
  text "TP35" at 36.625,16.1 h0.8 r90
  text "TP28" at 33.7,15.775 h0.8 r90
  text "TP24" at 89.55,15.375 h0.8
  text "TP39" at 81.025,15.25 h0.8
  text "TP47" at 107.4,13.8 h0.8
  text "TP27" at 23.25,12.725 h0.8
  text "TP20" at 45.975,12.725 h0.8
  text "TP15" at 74.95,11.875 h0.8
  text "TP24" at 125.05,10.45 h0.8
  text "TP31" at 26.5,8.875 h0.8
  text "CLK" at 35.7,3.525 h0.8 r90
  text "DIO" at 38.2,3.5 h0.8 r90
  text "3V3" at 40.85,3.5 h0.8 r90
  text "GND" at 28.1,3.375 h0.8 r90
  text "TX" at 33.075,3.325 h0.8 r90
  text "RX" at 30.55,3.275 h0.8 r90
Bottom Overlay:
  lines w1: 20,0.625 20,59.35 ; 190,0.65 190,59.35
  text "A" at 26.354,59.296 h1.5 r180
  text "B" at 43.854,59.246 h1.5 r180
  text "+24V" at 76.771,58.771 h1 r90
  text "+5V" at 78.521,58.771 h1 r90
  text "SD2" at 80.346,58.771 h1 r90
  text "GND" at 74.971,58.521 h1 r90
  text "+24V" at 135.09,58.426 h1 r90
  text "+24V" at 154.746,58.421 h1 r90
  text "+5V" at 156.446,58.321 h1 r90
  text "1A" at 191.946,58.321 h1 r90
  text "GND" at 193.821,58.321 h1 r90
  text "1B" at 197.321,58.271 h1 r90
  text "GND" at 195.521,58.246 h1 r90
  text "GND" at 13.871,58.146 h1 r90
  text "GND" at 15.846,58.096 h1 r90
  text "GND" at 152.921,58.096 h1 r90
  text "SD1" at 158.236,58.059 h1 r90
  text "2B" at 18.046,57.971 h1 r90
  text "2A" at 11.721,57.921 h1 r90
  text "GND" at 125.407,57.208 h1 r90
  text "GND" at 117.571,57.071 h1 r90
  text "I1" at 119.2,56.925 h1 r90
  text "GND" at 97.596,56.721 h1 r90
  text "I2" at 99.425,56.725 h1 r90
  text "GND" at 95.075,45.525 h0.8 r90
  text "GND" at 81.575,45.325 h0.8 r90
  text "+5" at 89.8,44.75 h0.8 r90
  text "P2" at 97.75,44.75 h0.8 r90
  text "N2" at 100.15,44.75 h0.8 r90
  text "+5" at 102.7,44.75 h0.8 r90
  text "P1" at 87.1,44.45 h0.8 r90
  text "N1" at 84.35,44.375 h0.8 r90
  text "GND" at 10.575,4.775 h0.8 r90
  text "3V3" at 18.45,4.775 h0.8 r90
  text "RX" at 12.175,4.75 h0.8 r90
  text "TX" at 13.775,4.75 h0.8 r90
  text "CLK" at 15.325,4.75 h0.8 r90
  text "DIO" at 16.9,4.725 h0.8 r90